# Altium PCB AVALON_hashunit.PcbDoc (part 4 of 5)
Units mm, origin at the board's own origin, x right, y up, seen from the top; angles counter-clockwise.
Board outline 138.43 x 38.1 mm, 4 copper layers (Top Layer, Mid-Layer 1, Mid-Layer 2, Bottom Layer); 220 components, 79 nets, 967 pads, 761 vias.
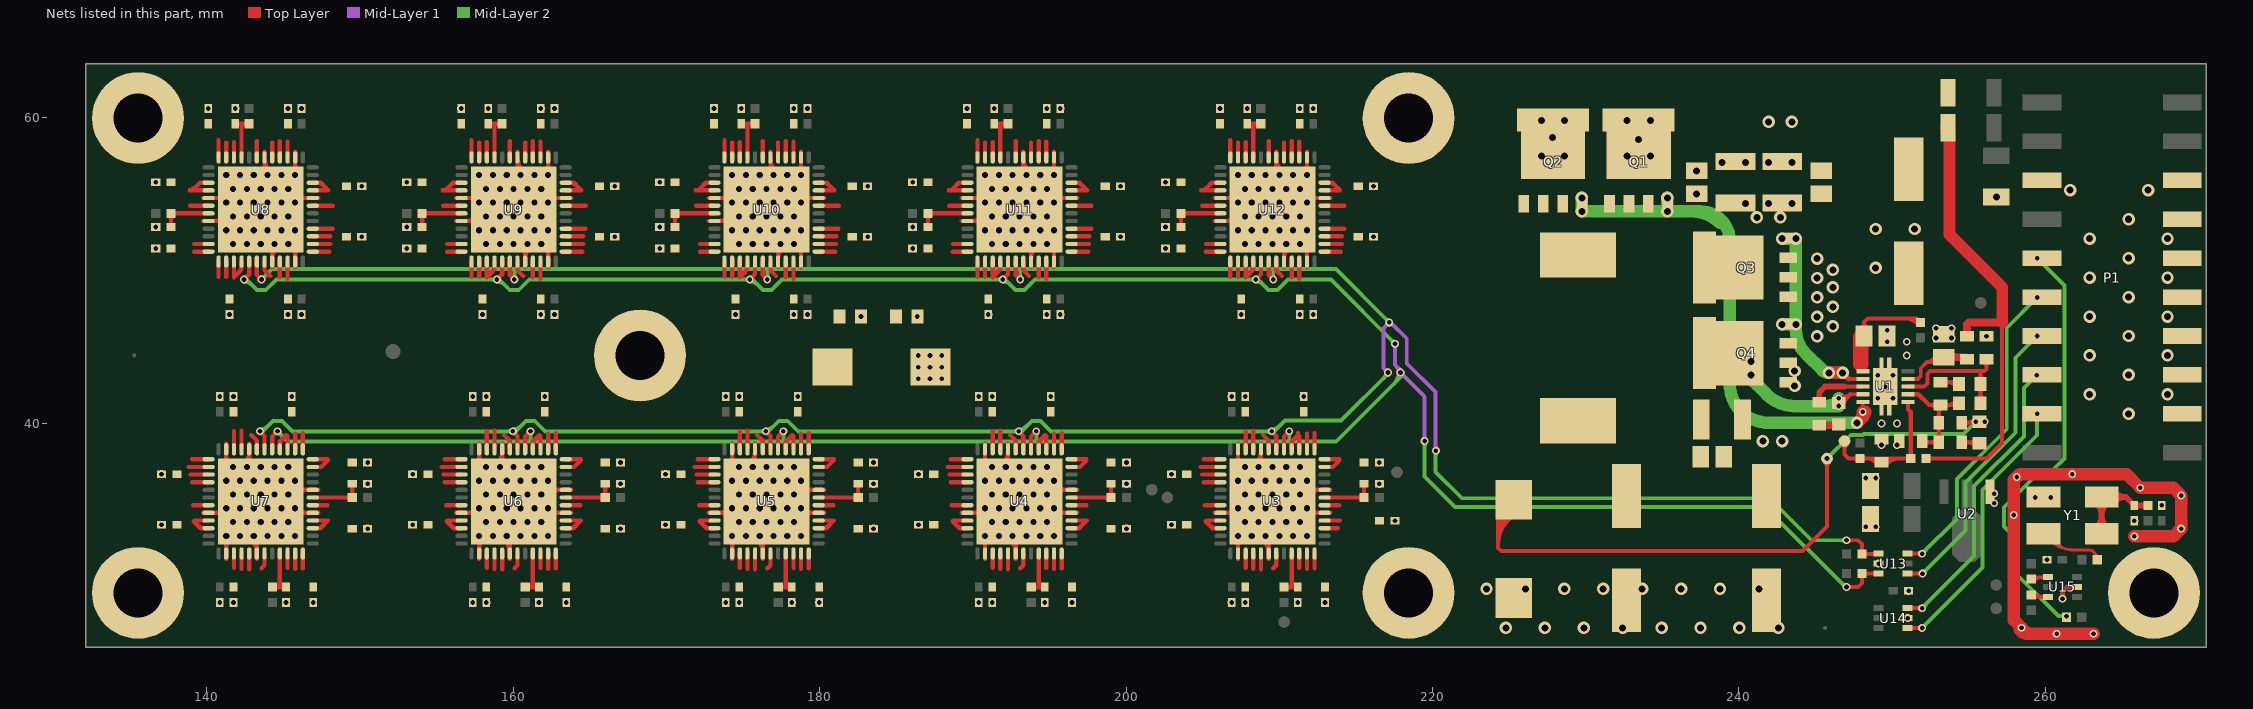
[diagram p6: the nets of this part, all layers, seen from the top]

## Via types
v1: diameter 0.8, hole 0.4, Top Layer to Bottom Layer, tented both sides, 330 vias
v2: diameter 0.508, hole 0.305, Top Layer to Bottom Layer, tented both sides, 258 vias
v3: diameter 0.813, hole 0.457, Top Layer to Bottom Layer, tented both sides, 88 vias
v4: diameter 0.508, hole 0.305, Top Layer to Bottom Layer, tented bottom, 80 vias
v5: diameter 0.6, hole 0.3, Top Layer to Bottom Layer, tented bottom, 5 vias

## Nets (pads, with @x,y where several pads share a name; then routed paths per layer and width w, separated by ;. In a path a pad name is that pad's centre, name@x,y a point inside that pad or via, vN(x,y) a via of type N, cw(c..) or ccw(c..) an arc to the next point about the centre after c; other vN are vias at no path point) (continued)
GND: (continued)
  other v3: 224.79,26.67 227.33,26.67 229.87,26.67 232.41,26.67 234.95,26.67 237.49,26.67 240.03,26.67 242.57,26.67 223.52,29.21 226.06,29.21 228.6,29.21 231.14,29.21 233.68,29.21 236.22,29.21 238.76,29.21 241.3,29.21 241.554,38.862 242.824,38.862 265.43,40.64 262.89,41.91 267.97,41.91 243.637,42.469 265.43,43.18 243.637,43.434 262.89,44.45 267.97,44.45 245.103,45.695 265.43,45.72 246.126,46.355 245.103,46.965 262.89,46.99 267.97,46.99 246.126,47.625 245.103,48.235 265.43,48.26 246.126,48.895 245.103,49.505 262.89,49.53 267.97,49.53 246.126,50.038 248.92,50.165 245.103,50.775 265.43,50.8 262.89,52.07 267.97,52.07 248.92,52.705 251.46,52.705 265.43,53.34 241.173,53.467 242.697,53.467 240.411,54.356 241.935,54.356 243.459,54.356 256.794,54.784 237.236,55.003 261.62,55.245 266.7,55.245
  other v5: 249.055,41.668 250.055,41.668 249.555,42.418 249.055,43.168 250.055,43.168
NetC5_1: C5.1 C6.2 C7.2 C8.2 C146.2 FB1.1 FB2.1 Q1.5 Q2.5 R1.2 R2.2 | length 31.8
  Top Layer w0.254: R2.2@252.214,37.719 256.159,37.719 257.175,38.735 257.175,46.609 ; R2.2@252.336,37.597 cw(c252.632,37.301) 252.632,37.719 cw(c252.632,38.137) R2.2@252.336,37.841
  Top Layer w0.508: R1.2@254.889,45.708 254.889,46.482 255.016,46.609 257.175,46.609
  Top Layer w0.762: FB2.1@253.492,59.309 253.746,59.055 253.746,52.324 257.175,48.895 257.175,46.609 ; FB2.1@253.559,58.825 cw(c253.107,58.373) 253.746,58.373
  other v3: 237.236,56.503 238.887,57.056 240.411,57.056 241.935,57.056 243.459,57.056 227.101,57.477 228.625,57.477 232.689,57.477 234.213,57.477 233.426,58.547 227.838,58.674 241.935,59.69 243.459,59.69 227.101,59.777 228.625,59.777 232.689,59.777 234.213,59.777
NetC9_1: C9.1 C16.1 R7.2 U1.3 | length 12.7
  Top Layer w0.254: U1.3@251.03,42.418 252.095,42.418 252.298,42.621 252.298,43.256 252.476,43.434 256.032,43.434 256.159,43.561 R7.2@256.159,44.208 ; C16.1@255.572,41.567 ccw(c255.106,42.033) 255.765,42.033 ccw(c256.424,42.033) C16.1@255.958,41.567 ; C9.1@255.572,42.351 cw(c255.106,41.885) 255.765,41.885 cw(c256.424,41.885) C9.1@255.958,42.351 ; C9.1@255.572,42.837 ccw(c255.106,43.303) 255.765,43.303 ccw(c256.424,43.303) C9.1@255.958,42.837 ; C16.1@255.765,41.324 C9.1@255.765,42.594 255.765,43.421 ; R7.2@256.001,44.05 cw(c255.621,43.67) 256.159,43.67 cw(c256.697,43.67) R7.2@256.317,44.05
NetC9_2: C9.2 R5.2 | length 3
  Top Layer w0.254: R5.2@253.16,42.709 C9.2@254.25,42.709 ; R5.2@253.418,42.551 cw(c253.798,42.171) 253.798,42.709 cw(c253.798,43.247) R5.2@253.418,42.867 ; R5.2@253.549,42.709 cw(c253.549,41.828) C9.2@254.172,42.451 ; 253.863,42.709 ccw(c253.863,43.146) C9.2@254.172,42.837
NetC10_1: C10.1 L1.1 Q1.1 Q1.2 Q1.3 Q2.1 Q2.2 Q2.3 Q3.5 Q4.5 U1.9 | length 15
  Top Layer w0.254: 247.277,41.918 U1.9@248.08,41.918
  Top Layer w0.305: C10.1@246.439,41.465 ccw(c246.599,41.914) C10.1@246.936,41.577 ; v2@246.541,41.752 ccw(c246.777,42.418) 247.277,41.918 C10.1@246.699,41.34 ; C10.1@246.557,41.588 ccw(c246.557,42.528) 247.222,41.863 ; C10.1@246.566,41.738 ccw(c246.794,42.055) C10.1@246.895,41.678
  Mid-Layer 2 w0.813: v3(240.792,44.069) 240.792,43.465 ccw(c242.093,43.465) 241.173,42.545 241.826,41.892 ccw(c243.622,43.688) 243.622,41.148 v2(246.507,41.148) v2(246.507,41.656) ; 245.649,41.148 ccw(c245.649,42.514) v2@246.615,41.548 ; v3(240.792,43.18) ccw(c241.405,43.18) 240.972,42.746 ; v3(240.792,43.18) ccw(c241.405,43.18) 240.972,42.746 ; v3(240.792,43.18) ccw(c241.405,43.18) 240.972,42.746 ; v3(240.792,43.18) ccw(c241.405,43.18) 240.972,42.746
NetC10_2: C10.2 R4.1 | length 1.6
  Top Layer w0.508: R4.1@245.237,39.89 C10.2@246.457,39.89 ; 245.984,39.89 ccw(c245.984,40.413) C10.2@246.354,40.043
NetC16_2: C16.2 R5.1 R9.2 R10.2 R11.2 U1.2 | length 15.1
  Top Layer w0.254: R10.2@251.829,38.862 251.907,38.784 R11.2@253.045,38.784 R9.2@253.045,40.054 253.045,41.094 R5.1@253.16,41.209 254.25,41.209 C16.2@254.365,41.324 ; R10.2@252.114,38.604 cw(c252.547,38.171) 252.547,38.784 ; R10.2@252.114,38.92 ccw(c252.441,39.247) 252.441,38.784 ; R11.2@252.887,38.626 ccw(c252.507,38.246) 252.507,38.784 ccw(c252.507,39.322) R11.2@252.887,38.942 ; R11.2@252.887,39.042 ccw(c252.507,39.422) 253.045,39.422 ccw(c253.583,39.422) R11.2@253.203,39.042 ; R9.2@252.887,39.796 cw(c252.507,39.416) 253.045,39.416 cw(c253.583,39.416) R9.2@253.203,39.796 ; R9.2@252.887,40.312 ccw(c252.507,40.692) 253.045,40.692 ccw(c253.583,40.692) R9.2@253.203,40.312 ; R5.1@252.902,41.051 cw(c252.558,40.707) 253.045,40.707 ; 253.045,40.634 cw(c253.635,40.634) R5.1@253.218,41.051 ; R5.1@253.418,41.051 cw(c253.798,40.671) 253.798,41.209 cw(c253.798,41.747) R5.1@253.418,41.367 ; R5.1@253.549,41.209 ccw(c253.549,42.09) C16.2@254.172,41.467 ; 253.863,41.209 cw(c253.863,40.772) C16.2@254.172,41.081
  Top Layer w0.279: U1.2@251.03,41.918 251.706,41.918 252.415,41.209 R5.1@253.16,41.209 ; R5.1@252.911,41.06 ccw(c252.552,40.701) 252.552,41.209 ccw(c252.552,41.717) R5.1@252.911,41.358
NetC17_2: C17.2 R1.1 U1.4 | length 7.2
  Top Layer w0.254: U1.4@251.03,42.918 251.681,42.918 251.866,43.104 251.866,43.612 252.273,44.018 ; 252.596,44.018 ccw(c252.596,44.486) C17.2@253.051,44.375 ; C17.2@252.804,44.435 cw(c252.273,44.565) 252.273,44.018 ; C17.2@253.048,44.018 252.273,44.018
  Top Layer w0.508: C17.2@253.365,44.335 R1.1@254.762,44.335 ; C17.2@253.724,44.126 cw(c254.23,43.62) 254.23,44.335 cw(c254.23,45.05) C17.2@253.724,44.544 ; 254.251,44.335 cw(c254.251,43.67) R1.1@254.721,44.14
NetC18_1: C18.1 R8.2 U1.6 | length 10.2
  Top Layer w0.254: C18.1@247.951,46.232 ccw(c247.715,46.621) 248.17,46.621 ; C18.1@248.17,45.72 248.17,46.621 ; C18.1@248.389,46.232 cw(c248.625,46.621) 248.17,46.621 ; 250.791,46.863 cw(c250.791,45.551) R8.2@251.719,46.479 ; 251.404,46.863 cw(c251.404,46.164) R8.2@251.898,46.658 ; R8.2@251.841,46.601 251.579,46.863 248.412,46.863 248.17,46.621
  Top Layer w0.279: 247.953,43.893 U1.6@248.08,43.418
  Top Layer w1.016: 247.953,43.893 C18.1@247.953,45.63 ; 247.953,44.945 cw(c248.795,44.945) C18.1@248.2,45.54
NetC19_1: C19.1 R11.1 | length 3.1
  Top Layer w0.254: R11.1@254.545,38.784 255.635,38.784 C19.1@255.7,38.719 ; R11.1@254.703,38.626 cw(c255.083,38.246) 255.083,38.784 cw(c255.083,39.322) R11.1@254.703,38.942 ; R11.1@254.834,38.784 cw(c254.834,37.903) C19.1@255.457,38.526 ; 255.148,38.784 ccw(c255.148,39.221) C19.1@255.457,38.912
NetC22_1: C22.1 R12.1 U3.45 | length 4
  Top Layer w0.279: R12.1@210.312,29.329 C22.1@211.201,29.329 ; R12.1@210.425,29.216 cw(c210.699,28.942) 210.699,29.329 cw(c210.699,29.716) R12.1@210.425,29.442 ; 210.8,29.349 U3.45@210.8,31.4 ; C22.1@211.123,29.251 ccw(c210.935,29.063) 210.935,29.329 ccw(c210.935,29.595) C22.1@211.123,29.407
NetC23_1: C23.1 R13.1 U4.45 | length 4
  Top Layer w0.279: R13.1@193.802,29.329 C23.1@194.691,29.329 ; R13.1@193.915,29.216 cw(c194.189,28.942) 194.189,29.329 cw(c194.189,29.716) R13.1@193.915,29.442 ; 194.29,29.349 U4.45@194.29,31.4 ; C23.1@194.613,29.251 ccw(c194.425,29.063) 194.425,29.329 ccw(c194.425,29.595) C23.1@194.613,29.407
NetC24_1: C24.1 R14.1 U5.45 | length 4
  Top Layer w0.279: R14.1@177.292,29.329 C24.1@178.181,29.329 ; R14.1@177.405,29.216 cw(c177.679,28.942) 177.679,29.329 cw(c177.679,29.716) R14.1@177.405,29.442 ; 177.78,29.349 U5.45@177.78,31.4 ; C24.1@178.103,29.251 ccw(c177.915,29.063) 177.915,29.329 ccw(c177.915,29.595) C24.1@178.103,29.407
NetC25_1: C25.1 R15.1 U6.45 | length 4
  Top Layer w0.279: R15.1@160.782,29.329 C25.1@161.671,29.329 ; R15.1@160.895,29.216 cw(c161.169,28.942) 161.169,29.329 cw(c161.169,29.716) R15.1@160.895,29.442 ; 161.27,29.349 U6.45@161.27,31.4 ; C25.1@161.593,29.251 ccw(c161.405,29.063) 161.405,29.329 ccw(c161.405,29.595) C25.1@161.593,29.407
NetC46_1: C46.1 M1.1 U3.7 | length 5
  Top Layer w0.279: U3.7@213.075,35.175 215.523,35.175 C46.1@215.523,36.064 ; 215.13,35.175 ccw(c215.13,35.576) 215.414,35.292 ccw(c215.15,35.556) 215.523,35.556 ; 215.15,35.175 cw(c215.15,34.802) M1.1@215.414,35.066 ; C46.1@215.449,35.99 cw(c215.27,35.811) 215.523,35.811 ; 215.523,35.576 ccw(c215.924,35.576) M1.1@215.64,35.292 ; 215.523,35.792 cw(c215.803,35.792) C46.1@215.605,35.99
NetC47_1: C47.1 M2.1 U4.7 | length 5
  Top Layer w0.279: U4.7@196.565,35.175 199.013,35.175 C47.1@199.013,36.064 ; 198.62,35.175 ccw(c198.62,35.576) 198.904,35.292 ccw(c198.64,35.556) 199.013,35.556 ; 198.64,35.175 cw(c198.64,34.802) M2.1@198.904,35.066 ; C47.1@198.939,35.99 cw(c198.76,35.811) 199.013,35.811 ; 199.013,35.576 ccw(c199.414,35.576) M2.1@199.13,35.292 ; 199.013,35.792 cw(c199.293,35.792) C47.1@199.095,35.99
NetC48_1: C48.1 M3.1 U5.7 | length 5
  Top Layer w0.279: U5.7@180.055,35.175 182.503,35.175 C48.1@182.503,36.064 ; 182.11,35.175 ccw(c182.11,35.576) 182.394,35.292 ccw(c182.13,35.556) 182.503,35.556 ; 182.13,35.175 cw(c182.13,34.802) M3.1@182.394,35.066 ; C48.1@182.429,35.99 cw(c182.25,35.811) 182.503,35.811 ; 182.503,35.576 ccw(c182.904,35.576) M3.1@182.62,35.292 ; 182.503,35.792 cw(c182.783,35.792) C48.1@182.585,35.99
NetC49_1: C49.1 M4.1 U6.7 | length 5
  Top Layer w0.279: U6.7@163.545,35.175 165.993,35.175 C49.1@165.993,36.064 ; 165.6,35.175 ccw(c165.6,35.576) 165.884,35.292 ccw(c165.62,35.556) 165.993,35.556 ; 165.62,35.175 cw(c165.62,34.802) M4.1@165.884,35.066 ; C49.1@165.919,35.99 cw(c165.74,35.811) 165.993,35.811 ; 165.993,35.576 ccw(c166.394,35.576) M4.1@166.11,35.292 ; 165.993,35.792 cw(c166.273,35.792) C49.1@166.075,35.99
NetC70_1: C70.1 R16.1 U7.45 | length 4
  Top Layer w0.279: R16.1@144.272,29.329 C70.1@145.161,29.329 ; R16.1@144.385,29.216 cw(c144.659,28.942) 144.659,29.329 cw(c144.659,29.716) R16.1@144.385,29.442 ; 144.76,29.349 U7.45@144.76,31.4 ; C70.1@145.083,29.251 ccw(c144.895,29.063) 144.895,29.329 ccw(c144.895,29.595) C70.1@145.083,29.407
NetC71_1: C71.1 R17.1 U8.45 | length 4
  Top Layer w0.279: C71.1@141.859,59.571 R17.1@142.748,59.571 ; C71.1@141.937,59.493 cw(c142.125,59.305) 142.125,59.571 cw(c142.125,59.837) C71.1@141.937,59.649 ; U8.45@142.26,57.5 142.26,59.551 ; R17.1@142.635,59.458 ccw(c142.361,59.184) 142.361,59.571 ccw(c142.361,59.958) R17.1@142.635,59.684
NetC72_1: C72.1 R18.1 U9.45 | length 4
  Top Layer w0.279: C72.1@158.369,59.571 R18.1@159.258,59.571 ; C72.1@158.447,59.493 cw(c158.635,59.305) 158.635,59.571 cw(c158.635,59.837) C72.1@158.447,59.649 ; U9.45@158.77,57.5 158.77,59.551 ; R18.1@159.145,59.458 ccw(c158.871,59.184) 158.871,59.571 ccw(c158.871,59.958) R18.1@159.145,59.684
NetC73_1: C73.1 R19.1 U10.45 | length 4
  Top Layer w0.279: C73.1@174.879,59.571 R19.1@175.768,59.571 ; C73.1@174.957,59.493 cw(c175.145,59.305) 175.145,59.571 cw(c175.145,59.837) C73.1@174.957,59.649 ; U10.45@175.28,57.5 175.28,59.551 ; R19.1@175.655,59.458 ccw(c175.381,59.184) 175.381,59.571 ccw(c175.381,59.958) R19.1@175.655,59.684
NetC94_1: C94.1 M5.1 U7.7 | length 5
  Top Layer w0.279: U7.7@147.035,35.175 149.483,35.175 C94.1@149.483,36.064 ; 149.09,35.175 ccw(c149.09,35.576) 149.374,35.292 ccw(c149.11,35.556) 149.483,35.556 ; 149.11,35.175 cw(c149.11,34.802) M5.1@149.374,35.066 ; C94.1@149.409,35.99 cw(c149.23,35.811) 149.483,35.811 ; 149.483,35.576 ccw(c149.884,35.576) M5.1@149.6,35.292 ; 149.483,35.792 cw(c149.763,35.792) C94.1@149.565,35.99
NetC95_1: C95.1 M6.1 U8.7 | length 4.8
  Top Layer w0.279: M6.1@137.543,53.608 cw(c137.259,53.324) 137.66,53.324 ; C95.1@137.578,52.91 ccw(c137.38,53.108) 137.66,53.108 ; C95.1@137.66,52.836 M6.1@137.66,53.725 ; 137.66,53.089 ccw(c137.913,53.089) C95.1@137.734,52.91 ; 137.66,53.344 cw(c138.033,53.344) 137.769,53.608 cw(c138.053,53.324) 138.053,53.725 ; M6.1@137.668,53.725 U8.7@139.985,53.725 ; M6.1@137.769,53.834 ccw(c138.033,54.098) 138.033,53.725
NetC96_1: C96.1 M7.1 U9.7 | length 5
  Top Layer w0.279: M7.1@153.93,53.608 cw(c153.646,53.324) 154.047,53.324 ; C96.1@153.965,52.91 ccw(c153.767,53.108) 154.047,53.108 ; C96.1@154.047,52.836 154.047,53.725 U9.7@156.495,53.725 ; 154.047,53.089 ccw(c154.3,53.089) C96.1@154.121,52.91 ; 154.047,53.344 cw(c154.42,53.344) 154.156,53.608 cw(c154.44,53.324) 154.44,53.725 ; M7.1@154.156,53.834 ccw(c154.42,54.098) 154.42,53.725
NetC97_1: C97.1 M8.1 U10.7 | length 5
  Top Layer w0.279: M8.1@170.44,53.608 cw(c170.156,53.324) 170.557,53.324 ; C97.1@170.475,52.91 ccw(c170.277,53.108) 170.557,53.108 ; C97.1@170.557,52.836 170.557,53.725 U10.7@173.005,53.725 ; 170.557,53.089 ccw(c170.81,53.089) C97.1@170.631,52.91 ; 170.557,53.344 cw(c170.93,53.344) 170.666,53.608 cw(c170.95,53.324) 170.95,53.725 ; M8.1@170.666,53.834 ccw(c170.93,54.098) 170.93,53.725
NetC118_1: C118.1 R20.1 U11.45 | length 4
  Top Layer w0.279: C118.1@191.389,59.571 R20.1@192.278,59.571 ; C118.1@191.467,59.493 cw(c191.655,59.305) 191.655,59.571 cw(c191.655,59.837) C118.1@191.467,59.649 ; U11.45@191.79,57.5 191.79,59.551 ; R20.1@192.165,59.458 ccw(c191.891,59.184) 191.891,59.571 ccw(c191.891,59.958) R20.1@192.165,59.684
NetC119_1: C119.1 R21.1 U12.45 | length 4
  Top Layer w0.279: C119.1@207.899,59.571 R21.1@208.788,59.571 ; C119.1@207.977,59.493 cw(c208.165,59.305) 208.165,59.571 cw(c208.165,59.837) C119.1@207.977,59.649 ; U12.45@208.3,57.5 208.3,59.551 ; R21.1@208.675,59.458 ccw(c208.401,59.184) 208.401,59.571 ccw(c208.401,59.958) R21.1@208.675,59.684
NetC127_2: C127.2 M9.1 Y1.1 Y1.4 | length 11.4
  Top Layer w0.381: Y1.4@263.312,33.171 ccw(c262.442,34.041) 263.672,34.041 ccw(c264.902,34.041) Y1.4@264.032,33.171 ; Y1.1@263.312,34.851 cw(c262.442,33.981) 263.672,33.981 cw(c264.902,33.981) Y1.1@264.032,34.851 ; Y1.4@263.672,32.811 Y1.1@263.672,35.211 265.263,35.211 C127.2@265.811,34.663 M9.1@266.7,34.663 ; Y1.1@264.441,34.859 cw(c265.263,34.074) 265.263,35.211 cw(c265.263,36.348) Y1.1@264.441,35.563
NetC133_1: C133.1 M10.1 U11.7 | length 5
  Top Layer w0.279: M10.1@186.95,53.608 cw(c186.666,53.324) 187.067,53.324 ; C133.1@186.985,52.91 ccw(c186.787,53.108) 187.067,53.108 ; C133.1@187.067,52.836 187.067,53.725 U11.7@189.515,53.725 ; 187.067,53.089 ccw(c187.32,53.089) C133.1@187.141,52.91 ; 187.067,53.344 cw(c187.44,53.344) 187.176,53.608 cw(c187.46,53.324) 187.46,53.725 ; M10.1@187.176,53.834 ccw(c187.44,54.098) 187.44,53.725
NetC134_1: C134.1 M11.1 U12.7 | length 5
  Top Layer w0.279: M11.1@203.46,53.608 cw(c203.176,53.324) 203.577,53.324 ; C134.1@203.495,52.91 ccw(c203.297,53.108) 203.577,53.108 ; C134.1@203.577,52.836 203.577,53.725 U12.7@206.025,53.725 ; 203.577,53.089 ccw(c203.83,53.089) C134.1@203.651,52.91 ; 203.577,53.344 cw(c203.95,53.344) 203.686,53.608 cw(c203.97,53.324) 203.97,53.725 ; M11.1@203.686,53.834 ccw(c203.95,54.098) 203.95,53.725
NetP1_4: P1.4 U14.1 | length 19.5
  Top Layer w0.254: U14.1@251.013,26.655 v4(251.953,26.655) ; v4@251.863,26.565 ccw(c251.646,26.348) 251.646,26.655 ccw(c251.646,26.962) v4@251.863,26.745
  Mid-Layer 2 w0.254: v4(251.953,26.655) 255.905,30.607 255.905,35.687 259.461,39.243 v2(259.461,40.64) ; v4@251.953,26.782 ccw(c251.953,27.089) 252.17,26.872 ccw(c252.387,26.655) v4@252.08,26.655 ; v2@259.371,40.55 cw(c259.154,40.333) 259.461,40.333 cw(c259.768,40.333) v2@259.551,40.55
NetP1_6: P1.6 U14.3 | length 20.7
  Top Layer w0.254: U14.3@251.013,27.955 v4(251.953,27.955) ; v4@251.863,27.865 ccw(c251.646,27.648) 251.646,27.955 ccw(c251.646,28.262) v4@251.863,28.045
  Mid-Layer 2 w0.254: v4(251.953,27.955) 255.346,31.348 255.346,35.918 258.597,39.17 258.597,42.316 v2(259.436,43.155) ; v4@251.953,28.082 ccw(c251.953,28.389) 252.17,28.172 ccw(c252.387,27.955) v4@252.08,27.955 ; v2@259.309,43.155 cw(c259.002,43.155) 259.219,42.938 cw(c259.436,42.721) v2@259.436,43.028
NetP1_8: P1.8 U13.4 | length 21
  Top Layer w0.254: U13.4@251.013,30.211 v4(251.983,30.211) ; v4@251.893,30.121 ccw(c251.676,29.904) 251.676,30.211 ccw(c251.676,30.518) v4@251.893,30.301
  Mid-Layer 2 w0.254: v4(251.983,30.211) 254.787,33.015 254.787,36.15 258.039,39.401 258.039,44.298 v2(259.461,45.72) ; v4@251.983,30.338 ccw(c251.983,30.645) 252.2,30.428 ccw(c252.417,30.211) v4@252.11,30.211 ; v2@259.334,45.72 cw(c259.027,45.72) 259.244,45.503 cw(c259.461,45.286) v2@259.461,45.593
NetP1_10: P1.10 U13.6 | length 22.2
  Top Layer w0.254: U13.6@251.013,31.511 v4(251.953,31.511) ; v4@251.863,31.421 ccw(c251.646,31.204) 251.646,31.511 ccw(c251.646,31.818) v4@251.863,31.601
  Mid-Layer 2 w0.254: v4(251.953,31.511) 254.229,33.787 254.229,36.381 257.48,39.633 257.48,46.253 v2(259.461,48.235) ; v4@251.953,31.638 ccw(c251.953,31.945) 252.17,31.728 ccw(c252.387,31.511) v4@252.08,31.511 ; v2@259.334,48.235 cw(c259.027,48.235) 259.244,48.018 cw(c259.461,47.801) v2@259.461,48.108
NetP1_12: P1.12 R25.2 | length 29.1
  Mid-Layer 2 w0.254: v2@259.461,50.673 cw(c259.461,50.366) 259.678,50.583 cw(c259.895,50.8) v2@259.588,50.8 ; v2(259.461,50.8) 261.239,49.022 261.239,37.719 260.477,36.957 259.715,36.957 257.302,34.544 257.302,33.274 258.064,32.512 258.064,30.226 260.858,27.432 v2(261.374,27.432) ; v2@261.284,27.342 ccw(c261.067,27.125) 261.067,27.432 ccw(c261.067,27.739) v2@261.284,27.522
NetQ1_4: Q1.4 Q2.4 U1.10 | length 36.8
  Top Layer w0.254: v2@247.99,40.857 ccw(c247.773,41.074) 248.08,41.074 ccw(c248.387,41.074) v2@248.17,40.857 ; v2(248.08,40.767) U1.10@248.08,41.418
  Top Layer w0.813: 248.105,40.46 ccw(c247.799,40.767) v2@248.232,40.767 ; v3(247.699,40.054) ccw(c247.222,40.767) v2(248.08,40.767) 248.08,40.435 v3(247.699,40.054)
  Mid-Layer 2 w0.813: v3(229.743,54.737) v3(229.743,53.848) v3(235.331,53.848) ; v3(235.331,54.737) v3(235.331,53.848) ; 238.742,53.104 ccw(c236.946,51.308) 236.946,53.848 ; v3(247.699,40.054) 241.935,40.054 cw(c241.935,42.594) 239.395,42.594 239.395,51.943 ccw(c237.49,51.943) 237.49,53.848 236.946,53.848 ; v3(235.331,53.848) 236.946,53.848
NetQ3_4: Q3.4 Q4.4 U1.7 | length 16.4
  Top Layer w0.254: 247.15,42.918 U1.7@248.08,42.918
  Top Layer w0.305: v3@246.781,43.054 cw(c246.819,42.587) 247.15,42.918 ; v3@246.888,43.18 247.15,42.918 ; v3@247.014,43.287 ccw(c247.481,43.249) 247.15,42.918
  Top Layer w0.508: v3@246.774,43.18 v3@246.888,43.18
  Top Layer w0.813: v3(245.872,43.307) v3(246.761,43.307)
  Mid-Layer 2 w0.813: v3(242.824,46.482) v3(243.713,46.482) ; v3(242.824,52.07) v3(243.713,52.07) v3(243.713,46.482) ; v3(246.761,43.307) v3(245.872,43.307) ; v3(243.713,46.482) 243.713,46.11 ccw(c245.881,46.11) 244.348,44.577 245.438,43.487 ; 245.438,43.487 ccw(c245.872,43.92) v3(245.872,43.307) ; 245.438,43.487 ccw(c245.872,43.92) v3(245.872,43.307) ; 245.438,43.487 ccw(c245.872,43.92) v3(245.872,43.307)
NetR4_2: R4.2 U1.8 | length 4.3
  Top Layer w0.279: 246.888,42.418 U1.8@248.08,42.418
  Top Layer w0.381: R4.2@245.124,41.503 ccw(c244.852,41.775) 245.237,41.775 ccw(c245.622,41.775) R4.2@245.35,41.503 ; R4.2@245.237,41.39 245.237,42.037 245.618,42.418 246.888,42.418
NetR22_2: R22.2 Y1.3 | length 6.7
  Top Layer w0.203: Y1.3@259.872,32.811 260.268,32.415 ccw(c261.874,34.022) 261.874,31.75 262.837,31.75 cw(c262.837,31.316) 263.144,31.623 263.205,31.562 cw(c262.757,31.115) R22.2@263.39,31.115 ; Y1.3@260.416,32.23 cw(c260.484,31.959) Y1.3@260.628,32.198 ; Y1.3@260.463,32.791 ccw(c261.191,32.714) 260.813,32.087 ; Y1.3@260.665,32.769 ccw(c261.541,32.677) 261.087,31.922 ; R22.2@263.256,31.261 ccw(c263.14,31.387) 263.305,31.431 ccw(c263.47,31.475) R22.2@263.433,31.309
NetR26_2: R26.2 U15.6 | length 2.7
  Top Layer w0.203: R26.2@259.077,28.818 ccw(c259.392,29.133) 259.392,28.687 ; R26.2@259.214,28.687 U15.6@260.162,28.687 ; R26.2@259.22,28.961 ccw(c259.882,29.623) U15.6@259.882,28.687 ; 259.704,28.735 ccw(c259.801,29.096) U15.6@259.988,28.772 ; U15.6@259.967,28.617 ccw(c259.799,28.449) 259.799,28.687 ccw(c259.799,28.925) U15.6@259.967,28.757
NetR27_2: R27.2 U15.4 | length 2.7
  Top Layer w0.203: R27.2@259.077,29.856 cw(c259.392,29.541) 259.392,29.987 ; R27.2@259.214,29.987 U15.4@260.162,29.987 ; R27.2@259.22,29.713 cw(c259.882,29.051) U15.4@259.882,29.987 ; 259.704,29.939 cw(c259.801,29.578) U15.4@259.988,29.902 ; U15.4@259.967,29.917 ccw(c259.799,29.749) 259.799,29.987 ccw(c259.799,30.225) U15.4@259.967,30.057
PWR_ON: ON.1 R2.1 R3.1 R6.2 U1.1 | length 16.8
  Top Layer w0.254: ON.1@246.708,38.682 cw(c246.275,38.249) 246.888,38.249 cw(c247.501,38.249) ON.1@247.068,38.682 ; ON.1@246.888,38.862 246.888,37.973 247.142,37.719 248.277,37.719 ; 247.467,37.719 ccw(c247.467,38.164) R3.1@247.782,37.849 ; 247.506,37.719 cw(c247.506,37.329) R3.1@247.782,37.605 ; R3.1@248.026,37.605 cw(c248.322,37.309) 248.322,37.727 cw(c248.322,38.145) R3.1@248.026,37.849 ; R3.1@248.032,37.611 cw(c248.277,37.388) 248.277,37.719 ; R3.1@248.034,37.613 cw(c248.285,37.394) 248.285,37.727 ; R3.1@248.034,37.841 ccw(c248.285,38.06) 248.285,37.727 ; R3.1@248.04,37.834 ccw(c248.277,38.021) 248.277,37.719 ; 248.777,37.727 cw(c248.777,37.176) R6.2@249.226,37.495 ; R6.2@249.019,37.348 ccw(c248.285,36.827) 248.285,37.727 ; R6.2@249.379,37.499 cw(c249.93,36.948) 249.93,37.727 ; R6.2@249.559,37.319 cw(c250.543,36.335) 250.543,37.727 ; 250.777,37.727 cw(c250.777,37.282) R2.1@251.092,37.597 ; 250.816,37.727 ccw(c250.816,38.117) R2.1@251.092,37.841 ; R2.1@251.206,37.727 248.285,37.727
  Top Layer w0.279: U1.1@251.03,41.418 251.03,40.943 251.206,40.767 R2.1@251.206,37.727 ; R2.1@251.101,37.832 ccw(c250.846,38.087) 251.206,38.087 ; 251.206,38.125 ccw(c251.62,38.125) R2.1@251.327,37.832